# Allegro board AWR1243BOOST-Rev-A.brd (continued)
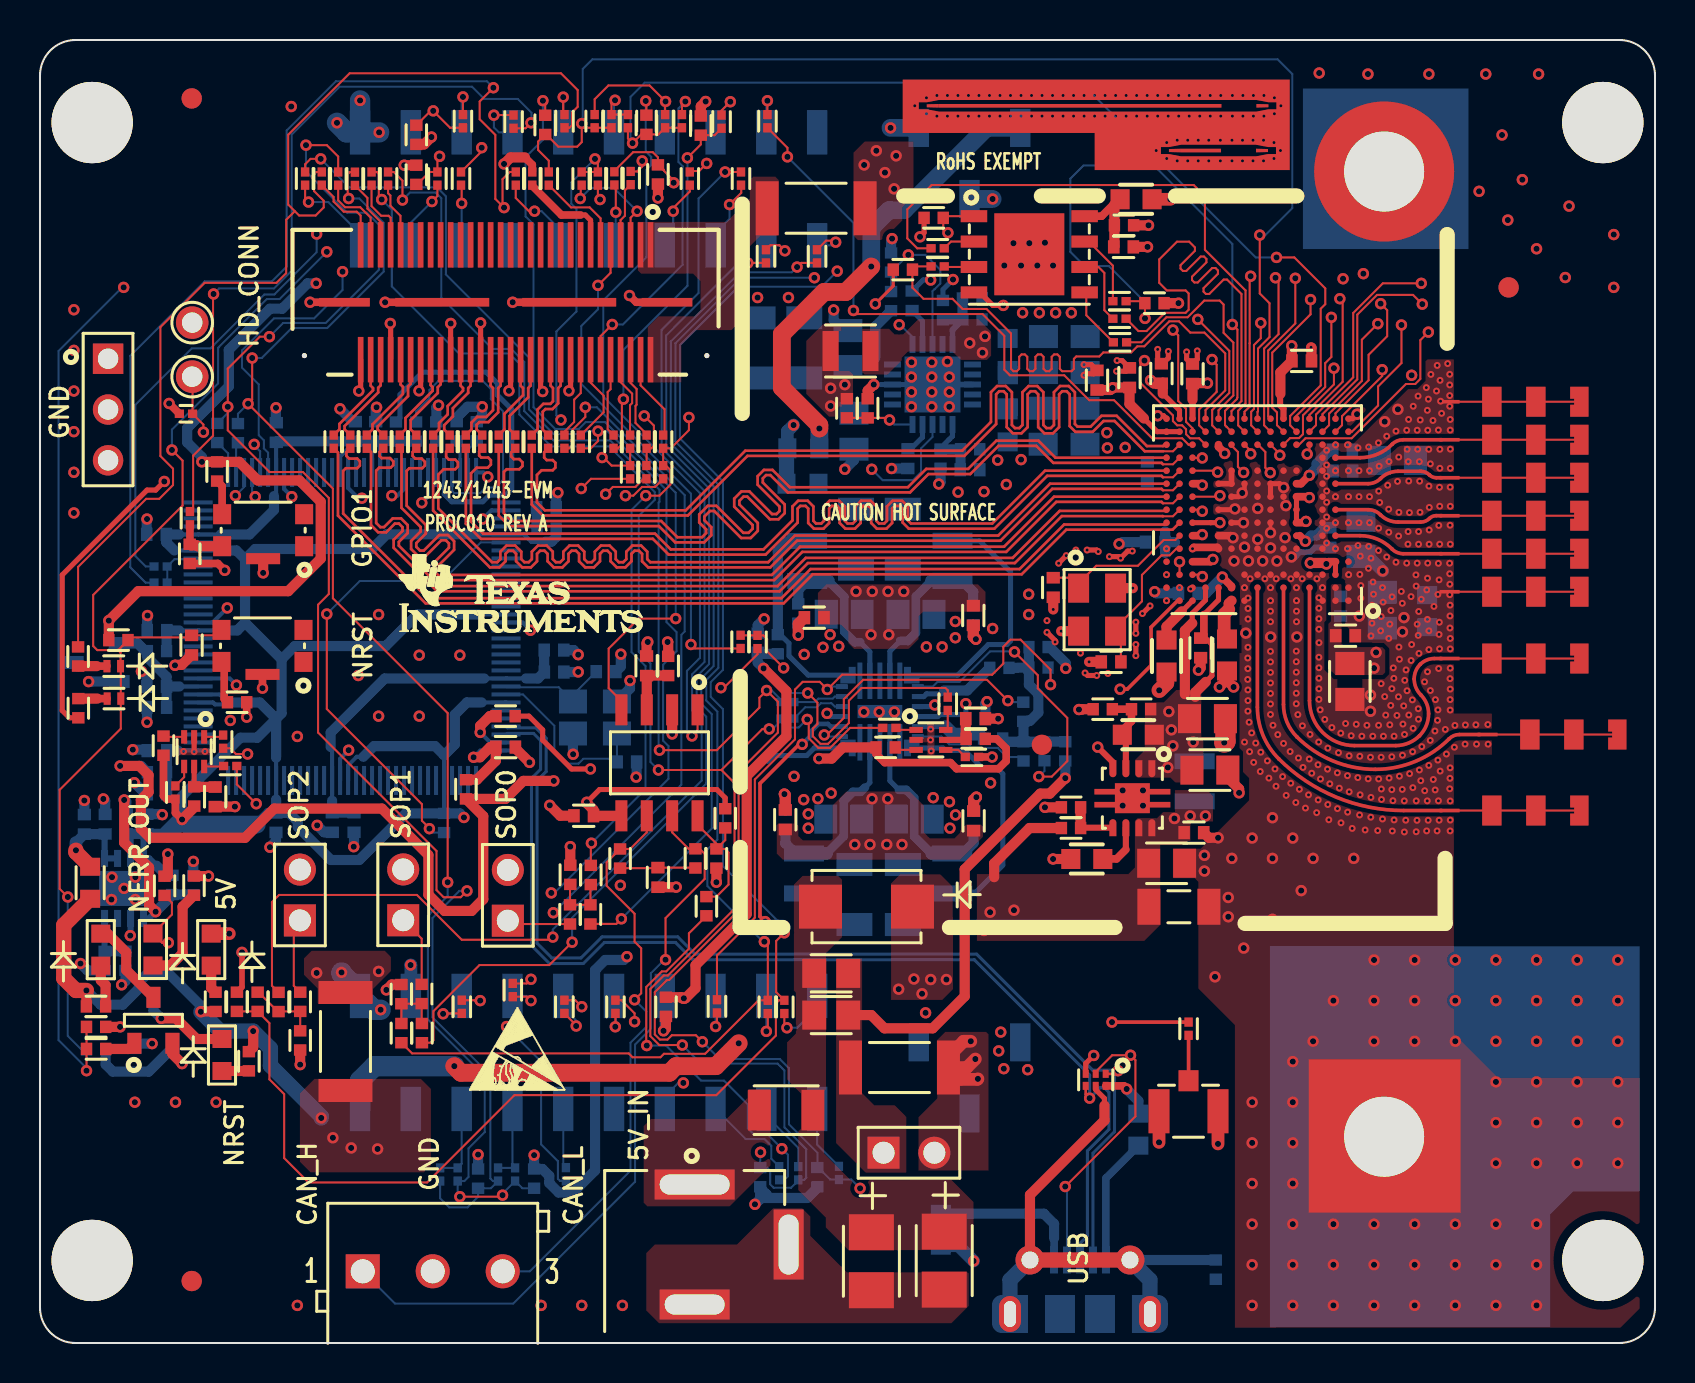
[diagram p0: board, top side]
## Copper pours and planes (outline as drawn; the poured copper is in the pictures) (continued)
UNNAMED_9_CAPPOLARIZED_I74_1 on TOP: 37.71,17.62 37.8,17.52 37.8,15.47 37.36,15.03 37.36,13.17 38.08,12.46 38.08,10.74 37.92,10.58 37.92,7.65 39.3,6.27 39.3,5.78 40.44,4.64 46.47,4.64 46.69,4.86 46.69,7.04 45.57,8.16 40.52,8.16 39.21,9.47 39.21,12.59 39.31,12.68 39.31,19.49 40.13,20.31 40.13,23.15 39.92,23.36 38.14,23.36 37.71,22.92
UNNAMED_9_FUSE_I161_1 on TOP: 30.19,10.85 30.19,7.01 30.37,6.83 34.49,6.83 36.53,8.88 36.53,12.7 35.45,12.7 35.38,12.62 35.38,12.24 34.33,11.2 30.55,11.2

Small or netless copper shapes (teardrops, artwork), in the pictures only: 13 on TOP

## Text on the board
Ref Des/Silkscreen Bottom: For Evaluation Only | Not FCC Approved For Resale | 3V3 | GND
User.Comments: CR_IF_2 | CR_IF-1_2 | CR_ENGINE-AREA_1 | CR_2_1 | CR_FTDI_4 | Rev-A | 1243/1443-EVM | TEXAS INSTRUMENTS | DATE: | 20/FEB/2017
Ref Des/Silkscreen Top: 1243/1443-EVM | PROC010 REV A | CAUTION HOT SURFACE | RoHS EXEMPT | GND | NERR_OUT | 5V | NRST | HD_CONN | SOP2 | CAN_H | GPIO1 | SOP1 | SOP0 | CAN_L | 5V_IN | USB
PLACE_BOUND_TOP: 4.2374 | 3.0717 | 2.6717 | 1.7076 | 4.4962 | 2.8967 | 2.4967 | 1.5620
DIMENSION: 4.0874 | 3.0554 | 2.5860 | 1.8199 | 1.4982 | 1.1548 | 0.4082 | 0.1500 | 4.3462 | 3.7554 | 2.7223 | 1.6893 | 1.5280 | 1.3526 | 1.2202 | 0.9227 | 0.2824 | 1.3199 | 2.2387 | 3.4027
User.5: 3.6374 | 2.8207 | 2.0040 | 1.0482 | 0.6524 | 3.8960 | 3.1473 | 45.0000deg | 2.2973 | 1.5486 | 0.9026 | 0.6000 | dia1.0000
User.6: 1.5026 | 1.8981 | 4.4962 | 1.6482 | 2.1199 | 4.2374
User.8: 1.0482 | 0.6524 | 315.0000deg | 3.6374 | 2.0040 | 2.8207 | R0.5625 | 0.6000 | 0.9026 | 1.5486 | 2.2973 | 3.1473 | 3.8960
User.18: J23 | J22
User.21: SHEET   1  OF  2 | OF THE BOARD. | WIDTH AND SPACING OF 4 MIL &  4 MILS. | 4.SURFACE FINISH:IMMERSION SILVER | 6.SILK SCREEN LEGEND TO BE APPLIED PER LAYER STACKUP USING WHITE | NON-CONDUCTIVE EPOXY INK. | 7.THIS PRINTED WIRING BOARD IS DESIGNED WITH A MINIMUM CONDUCTOR | 13. TRACE WIDTH SHOULD BE ACCURATELY ETCHED. MAX TOLERANCE +/- 1 MIL | 12.MANUFACTURER'S IDENTIFICATION,DATECODE LETTER SHALL BE SILKSCREENED ON SOLDER SIDE | 14.BOARD DIMENSIONS ARE IN (INCHES). | 16.PCB Material must meet or exceed UL94V-0 requirements. | 15.BOW AND TWIST SHALL NOT EXCEED 0.7% OF LONGEST SIDE | 11.VENDOR SHOULD FOLLOW ROHS COMPLIANT PROCESS AND Pb FREE FOR MANUFACTURING | 17.LAYER TO LAYER REGISTRATION SHALL BE WITHIN +/-2 MIL | 18.REFER STACKUP DOCUMEMENT FOR IMPEDENCE CONTROL TRACES ON LAYER 1. | NOTES: UNLESS OTHERWISE SPECIFIED. | 10. SOLDER MASK OPENING IS KEPT SAME SIZE AS PAD (1:1) FOR ALL COMPONENTS EXCEPT U2 | 19.FOR ANTENNA ETCHING TOLERANCE REFER "ANTENNA ETCHING REQUIREMETS"DOCUMENT. | 5.SOLDERMASK ON BOTH SIDES OF THE BOARD SHALL BE LPI, COLOR RED. | 3.PRINTED WIRING BOARD SHALL COMPLY WITH REQUIREMENTS OF ANSI/J-STD-003. | 1.FABRICATE PER IPC-6012A CLASS 2. | 2. FOR BOARD THICKNESS AND IMPEDANCE DETAILS REFER STACKUP DOCUMENT. | 8.ALL VIAS ARE TENTED ON BOTH SIDES UNLESS SOLDERMASK OPENED IN GERBER. | 9.ALL VIAS ON PAD SHOULD BE FILLED WITH NON CONDUCTIVE EPOXY AND SURFACE SHOULD BE FLAT | 50 OHM SINGLE ENDED AND 10OHM DIFFERENTIAL IMPEDENCE CONTROL TRACES. | PCB must bear the UL94V-0 registered material ID number. | REFER VIA FILL DOCUMENT TO IDENTIFY THE VIAS TO BE FILLED | FLATNESS TOLERANCE FOR VIA ON PADS: +0.000 /- 0.001 INCHES ON BOTH SIDES. | THE MANUFACTURER IS REQUESTED TO SIZE IT AS PER THEIR SOLDERMASK TOLERANCE. | FOR U2 (BGA) PLEASE FOLLOW SAME SOLDERMASK SIZE AS GERBER | FABRICATION DRAWING-1
User.22: SHEET   2  OF  2 | FABRICATION DRAWING-2
User.23: ASSEMBLY | BOTTOM
User.24: ASSEMBLY | TOP
User.25: LAYER-1 | TOP
User.26: LAYER-2 | GROUND
User.27: GND/SIGNAL | LAYER-3
User.28: GND/SIGNAL | LAYER-4
User.29: LAYER-5 | GROUND
User.30: LAYER-6 | BOTTOM
User.31: SOLDERMASK | BOTTOM
User.32: SOLDERMASK | TOP
User.33: SOLDERPASTE | BOTTOM
User.34: SOLDERPASTE | TOP
User.35: SILKSCREEN | BOTTOM
User.36: SILKSCREEN | TOP
User.38: OUTLINE | BOARD
User.40: UNLESS OTHERWISE SPECIFIED | INCHES | ALL DIMENSIONS ARE IN | X | MILLIMETERS | SIZE | SCALE | DRAWING TITLE | PART NUMBER | 1/1 | REV | A | D | 20/02/2017 | DATE | TEXAS INSTRUMENTS | 1243/1443-EVM | CAD | DATA | DO NOT MANUALLY | UPDATE | C | B | 8 | 7 | 6 | 5 | 4 | 3 | 2 | 1
User.43: FIGURE | SIZE | 5.9 | DRILL CHART: TOP to L2 | ALL UNITS ARE IN MILS | TOLERANCE | +0.0/-5.9 | PLATED | QTY | 510
User.44: FIGURE | SIZE | 12.2 | 33.46 | 40.16 | 40.2 | 43.31 | 47.33 | 157.48 | 160.0 | 51.18x23.62 | 118.11x39.37 | 137.8x39.37 | DRILL CHART: TOP to BOTTOM | ALL UNITS ARE IN MILS | TOLERANCE | +0.0/-12.2 | +2.0/-2.0 | +2.99/-2.99 | PLATED | NON-PLATED | QTY | 635 | 2 | 3 | 8 | 4 | 1
